# Altium PCB Shaheen.PcbDoc (part 3 of 4)
Units mm, origin at the board's own origin, x right, y up, seen from the top; angles counter-clockwise.
Board outline 102.4 x 144.2 mm, 4 copper layers (Top Layer, GND1, POWER, Bottom Layer), stack 0.89 mm thick; 163 components, 248 nets, 932 pads, 530 vias.
Unrouted connection lines stored in the file: 1.
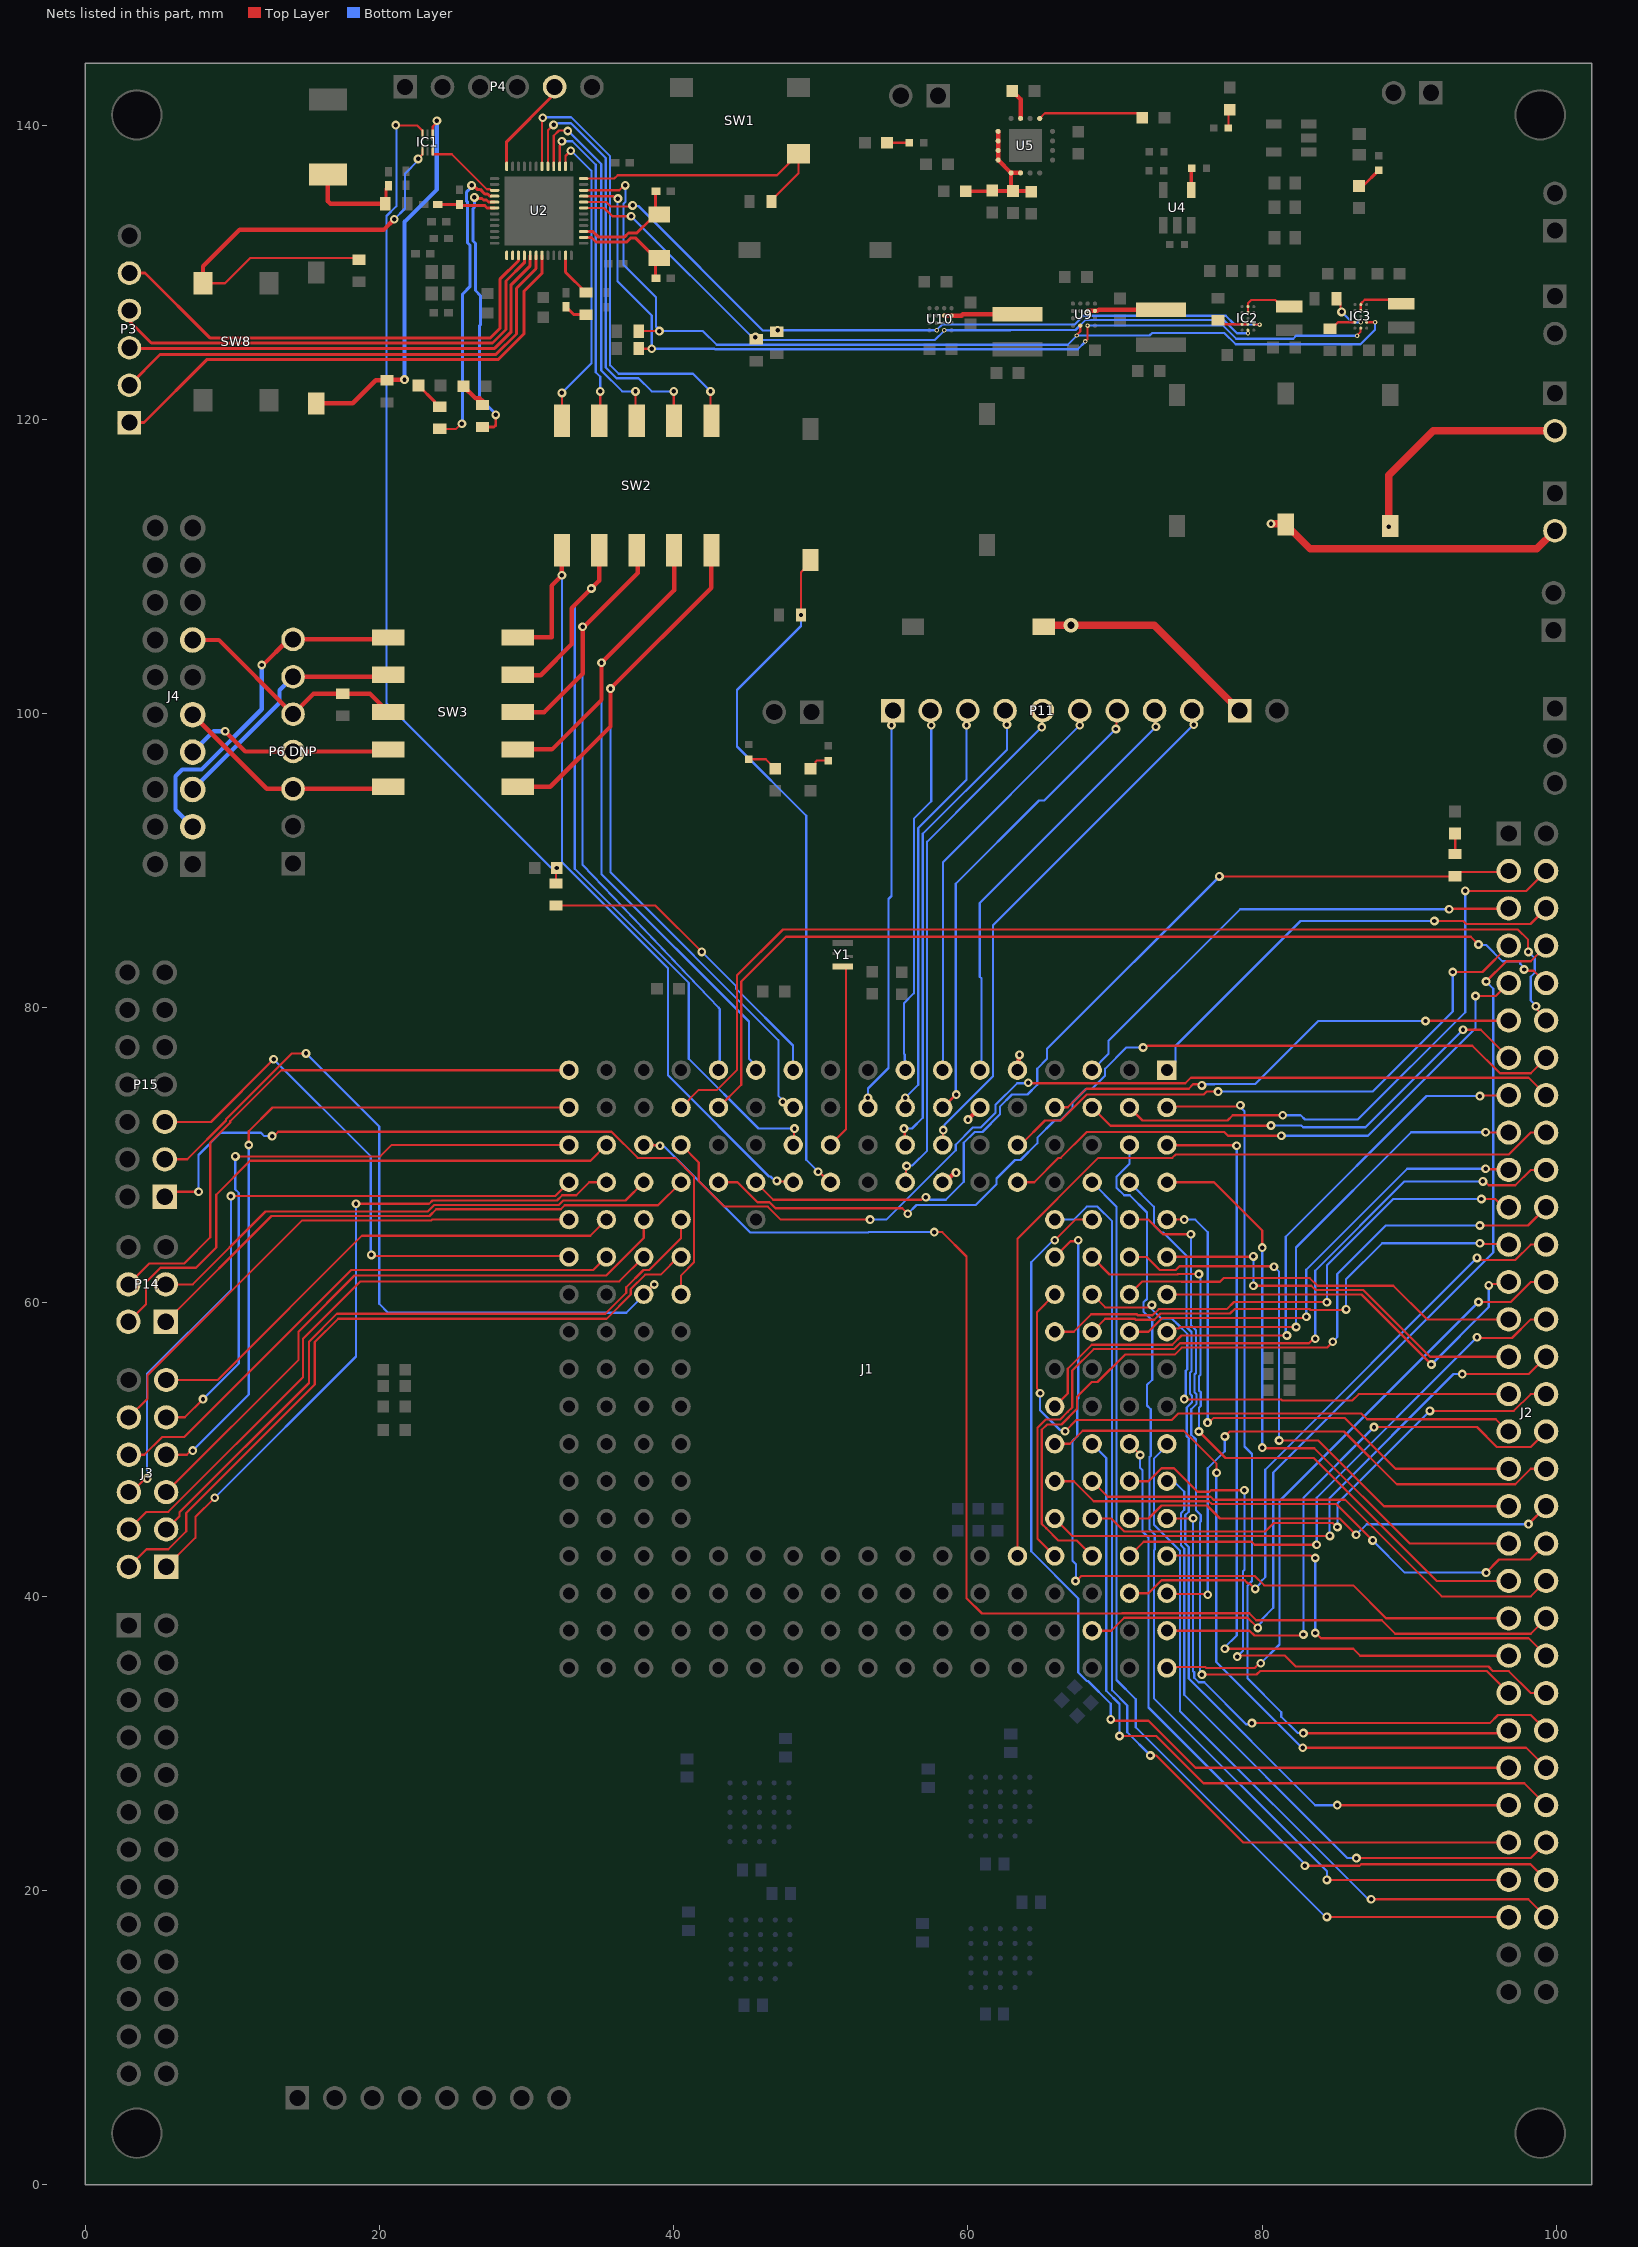
[diagram p5: the nets of this part, all layers, seen from the top]

## Via types
v1: diameter 0.6, hole 0.3, Top Layer to Bottom Layer, tented both sides, 440 vias
v2: diameter 0.3, hole 0.15, Top Layer to Bottom Layer, tented both sides, 87 vias
v3: diameter 1, hole 0.5, Top Layer to Bottom Layer, tented both sides, 2 vias
v4: diameter 0.3, hole 0.15, Top Layer to Bottom Layer, 1 vias

## Nets (pads, with @x,y where several pads share a name; then routed paths per layer and width w, separated by ;. In a path a pad name is that pad's centre, name@x,y a point inside that pad or via, vN(x,y) a via of type N, cw(c..) or ccw(c..) an arc to the next point about the centre after c; other vN are vias at no path point) (continued)
JTAG_TCK: J1.G2 SW2.10 SW3.6 | length 56.6
  Top Layer w0.15: v1(47.41,73.606) 47.532,73.606 47.917,73.22 J1.G2@48.12,73.22
  Top Layer w0.3: SW3.6@29.4,95.02 31.6,95.02 35.7,99.12 v1(35.7,101.7) 42.56,108.56 SW2.10@42.56,111.1
  Bottom Layer w0.15: v1(35.7,101.7) 35.7,89.208 47.112,77.796 47.112,74.026 47.41,73.728 v1(47.41,73.606)
JTAG_TDI: J1.G3 SW2.7 SW3.9 | length 57.7
  Top Layer w0.15: J1.G3@48.12,70.68 48.165,70.725 48.165,71.743 v1(48.21,71.788)
  Top Layer w0.3: SW3.9@29.4,102.64 29.44,102.6 30.95,102.6 33.071,104.721 33.071,107.171 v1(34.4,108.5) 34.94,109.04 SW2.7@34.94,111.1
  Bottom Layer w0.15: v1(34.4,108.5) 33.275,107.375 33.275,89.442 41.025,81.692 41.025,76.526 45.763,71.788 v1(48.21,71.788)
JTAG_TDO: J1.E1 SW2.8 SW3.8 | length 49.5
  Top Layer w0.15: v1(33.8,105.9) v1@33.9,105.9 ; SW2.8@37.48,111.1 SW2.8@37.552,111.028 ; J1.E1@43.04,75.76 J1.E1@43.085,75.805
  Top Layer w0.3: SW3.8@29.4,100.1 31.2,100.1 33.8,102.7 v1(33.8,105.9) ; v1@33.9,105.9 37.552,109.552 SW2.8@37.552,111.028
  Bottom Layer w0.15: v1(33.8,105.9) 33.8,89.72 43.056,79.998 43.13,79.924 43.13,75.85 J1.E1@43.04,75.76
JTAG_TMS: J1.F1 SW2.9 SW3.7 | length 51.6
  Top Layer w0.15: J1.F1@45.58,75.76 J1.F1@45.58,76.076
  Top Layer w0.3: SW3.7@29.4,97.56 31.721,97.56 35.09,100.929 v1(35.09,103.45) 40.02,108.381 SW2.9@40.02,111.1
  Bottom Layer w0.15: v1(35.09,103.45) 35.09,89.086 45.115,79.061 45.115,76.541 45.58,76.076 J1.F1@45.58,75.76
JTAG_TRST: J1.G4 SW2.6 SW3.10 | length 57
  Top Layer w0.15: v1(47.012,68.23) 47.057,68.185 48.075,68.185 J1.G4@48.12,68.14
  Top Layer w0.3: SW3.10@29.4,105.18 31.7,105.18 31.7,108.7 v1(32.4,109.4) SW2.6@32.4,111.1
  Bottom Layer w0.15: v1(32.4,109.4) 32.4,89.892 39.606,82.686 39.606,75.405 46.473,68.539 46.581,68.539 46.89,68.23 v1(47.012,68.23)
KU_DCDC_BUSY: J1.J2 P11.1 | length 28.3
  Top Layer w0.15: J1.J2@53.2,73.22 v1(53.2,73.878) ; v1(54.8,99.2) 54.8,100.1 P11.1@54.9,100.2
  Bottom Layer w0.15: J1.J2@53.2,73.22 v1(53.2,73.878) 53.2,74.511 54.601,75.912 54.601,87.395 54.8,87.595 v1(54.8,99.2)
KU_DCDC_CLK_EXT: J1.L2 P11.7 | length 32.2
  Top Layer w0.15: J1.L2@58.28,73.22 58.3,73.22 59.18,74.1 v1(59.2,74.1) ; v1(70.051,98.95) 70.095,98.995 70.095,100.155 P11.7@70.14,100.2
  Bottom Layer w0.15: v1(59.2,74.1) 59.17,74.13 59.17,88.43 64.832,94.092 65.193,94.092 v1(70.051,98.95)
KU_DCDC_CTRL1: J1.L3 P11.9 | length 36.6
  Top Layer w0.15: J1.L3@58.28,70.68 58.299,70.699 58.299,71.665 v1(58.318,71.684) ; P11.9@75.22,100.2 75.283,100.137 75.283,99.313 v1(75.345,99.25)
  Bottom Layer w0.15: v1(58.318,71.684) 58.398,71.764 58.398,72.047 61.703,75.352 61.703,85.608 v1(75.345,99.25)
KU_DCDC_CTRL2: J1.M1 P11.8 | length 29.5
  Top Layer w0.15: P11.8@72.68,100.2 72.729,100.152 72.729,99.154 v1(72.777,99.105)
  Bottom Layer w0.15: J1.M1@60.82,75.76 60.91,75.85 60.91,82.004 60.8,82.114 60.8,87.128 v1(72.777,99.105)
KU_DCDC_PAD_SEL: J1.K1 P11.2 | length 25.3
  Top Layer w0.15: J1.K1@55.695,75.805 J1.K1@55.74,75.76 ; P11.2@57.44,100.2 57.47,100.17 57.47,99.23 v1(57.5,99.2)
  Bottom Layer w0.15: J1.K1@55.74,75.76 55.695,75.805 55.695,76.823 55.651,76.868 55.651,80.318 56.323,80.991 56.323,92.854 57.5,94.031 v1(57.5,99.2)
KU_DCDC_PFM_OUT: J1.K2 P11.3 | length 28.7
  Top Layer w0.15: J1.K2@55.74,73.22 v1(55.74,73.878) ; v1(59.9,99.2) 59.94,99.24 59.94,100.16 P11.3@59.98,100.2
  Bottom Layer w0.15: v1(55.74,73.878) 56.623,74.761 56.623,92.223 59.9,95.5 v1(59.9,99.2)
KU_DCDC_SEL_CLK: J1.L1 P11.6 | length 28.3
  Top Layer w0.15: v1(67.6,99.2) P11.6@67.6,100.2
  Bottom Layer w0.15: J1.L1@58.28,75.76 58.3,75.78 58.3,89.9 v1(67.6,99.2)
KU_DCDC_SEL_SM: J1.K3 P11.4 | length 32.8
  Top Layer w0.15: v1(55.651,71.788) 55.695,71.743 55.695,70.725 J1.K3@55.74,70.68 ; P11.4@62.52,100.2 62.583,100.137 62.583,99.313 v1(62.645,99.25)
  Bottom Layer w0.15: v1(55.651,71.788) 56.19,71.788 56.923,72.521 56.923,74.637 56.923,91.823 62.645,97.545 v1(62.645,99.25)
KU_DCDC_SM_EXT: J1.K4 P11.5 | length 36.1
  Top Layer w0.15: J1.K4@55.74,68.14 55.785,68.185 55.785,69.203 v1(55.83,69.248) ; v1(65.012,99.083) 65.036,99.107 65.036,100.176 P11.5@65.06,100.2
  Bottom Layer w0.15: v1(55.83,69.248) 55.871,69.289 56.231,69.289 57.223,70.281 57.223,91.294 61.128,95.198 v1(65.012,99.083)
KU_DCDC_VDD: J1.M2 P7.2 SW6.2 | length 21.7
  Top Layer w0.15: J1.M2@60.81,73.21 J1.M2@60.82,73.22 ; SW6.2@81.55,112.9 SW6.2@81.6,112.85
  Top Layer w0.3: v1(60,72.4) J1.M2@60.81,73.21
  Top Layer w0.5: v1(80.6,112.9) SW6.2@81.55,112.9 ; SW6.2@81.575,112.875 SW6.2@81.6,112.85 83.25,111.2 98.67,111.2 P7.2@99.9,112.43
KU_DCDC_VOUT: J1.L4 P16.1 SW10.2 | length 16.9
  Top Layer w0.15: J1.L4@58.28,68.14 J1.L4@58.29,68.13 ; SW10.2@65.15,105.9 SW10.2@65.25,106
  Top Layer w0.3: J1.L4@58.29,68.13 58.437,68.13 59.107,68.8 v1(59.188,68.8)
  Top Layer w0.5: SW10.2@65.25,106 v3(67,106) 72.66,106 P16.1@78.46,100.2
KU_DCDC_VREF: J1.N1 P8.2 SW11.2 | length 17.2
  Top Layer w0.15: J1.N1@63.36,75.76 J1.N1@63.36,75.86
  Top Layer w0.3: J1.N1@63.36,75.86 63.443,75.943 63.443,76.743 v1(63.5,76.8)
  Top Layer w0.5: v1(88.6,112.7) 88.6,116.2 91.63,119.23 P8.2@99.9,119.23
NetA1_1: A1.1 XX1.2 XX3.1 | length 7.2
  Top Layer w0.203: XX1.2@20.394,134.65 20.455,134.589 20.455,135.674 XX3.1@20.608,135.827
  Top Layer w0.3: A1.1@16.493,136.642 16.493,134.826 16.669,134.65 XX1.2@20.394,134.65
NetC20_2: C20.2 L3.1 U2.30 | length 3.8
  Top Layer w0.203: L3.1@24.138,134.607 C20.2@25.434,134.607 25.511,134.53 26.654,134.53 26.672,134.548 27.128,134.548 27.307,134.369 27.817,134.369 U2.30@27.819,134.367
NetC22_1: C22.1 C23.1 C65.1 L4.1 U5.9 U5.10 U5.11 U5.12 U5.13 U5.14 | length 9.6
  Top Layer w0.15: C23.1@61.602,135.5 C23.1@61.654,135.552 C23.1@61.679,135.527 ; C22.1@62.925,135.653 C22.1@63.051,135.527 ; C65.1@64.248,135.527 C65.1@64.3,135.475
  Top Layer w0.254: L4.1@59.85,135.5 C23.1@61.602,135.5 ; C23.1@61.679,135.527 C22.1@63.051,135.527 C65.1@64.248,135.527
  Top Layer w0.3: U5.9@62.05,139.575 U5.10@62.05,138.925 U5.11@62.05,138.275 U5.12@62.05,137.625 U5.13@62.925,136.75 ; C22.1@62.925,135.653 U5.13@62.925,136.75 ; U5.14@63.575,136.75 U5.13@62.925,136.75
NetC25_2: C25.2 U4.4 | length 1.4
  Top Layer w0.254: U4.4@75.177,135.596 C25.2@75.177,137.032
NetC34_1: C34.1 U5.7 | length 2.1
  Top Layer w0.3: C34.1@63.012,142.321 63.575,141.758 U5.7@63.575,140.45
NetC71_1: C71.1 IC1.3 R6.1 | length 59.2
  Top Layer w0.15: v1(21.1,140) 21.136,139.964 22.582,139.964 22.921,139.625 IC1.3@22.921,139.325 ; R6.1@32,88.45 32,89.45 v1(32.05,89.5)
  Bottom Layer w0.15: v1(21.1,140) 21.144,139.956 21.144,134.487 20.475,133.817 20.475,100.703 31.643,89.535 32.015,89.535 v1(32.05,89.5)
NetD1_1: D1.1 R18.2 | length 2.1
  Top Layer w0.203: D1.1@22.65,122.3 23.752,121.198 23.752,121.098 24,120.85 R18.2@24.1,120.85
NetD2_1: D2.1 R17.2 | length 1.7
  Top Layer w0.305: D2.1@25.7,122.255 26.538,121.417 26.815,121.417 R17.2@27.008,121.223
NetD3_1: D3.1 R22.2 | length 1.8
  Top Layer w0.203: D3.1@86.571,135.857 86.848,135.857 R22.2@87.918,136.927
NetD4_1: D4.1 R23.2 | length 1.3
  Top Layer w0.15: R23.2@77.7,139.8 77.7,140.95 D4.1@77.8,141.05
NetD5_1: D5.1 R25.2 | length 1.5
  Top Layer w0.15: D5.1@54.5,138.796 54.504,138.8 R25.2@56,138.8
NetD6_1: D6.1 R12.2 | length 1.4
  Top Layer w0.15: R12.2@93.1,90.45 93.127,90.477 93.127,91.823 D6.1@93.1,91.85
NetD7_1: D7.1 R13.2 | length 1.5
  Top Layer w0.15: D7.1@49.3,96.25 49.625,96.575 49.625,96.712 49.713,96.8 R13.2@50.5,96.8
NetD8_1: D8.1 R14.2 | length 2.1
  Top Layer w0.15: R14.2@45.1,96.9 46.25,96.9 D8.1@46.9,96.25
NetIC1_1: IC1.1 R7.1 SW7.1 | length 26.3
  Top Layer w0.15: IC1.1@23.621,139.325 23.621,139.899 23.9,140.178 v1(23.9,140.3)
  Top Layer w0.3: SW7.1@15.696,121.086 18.186,121.086 19.75,122.65 R7.1@20.5,122.65 ; R7.1@20.5,122.7 v1(21.7,122.7)
  Bottom Layer w0.3: v1(21.7,122.7) 21.7,133.42 23.9,135.62 v1(23.9,140.3)
NetIC1_4: IC1.4 R8.1 SW8.2 | length 32.4
  Top Layer w0.15: SW8.2@7.998,129.248 9.498,129.248 11.211,130.961 18.489,130.961 R8.1@18.6,130.85 ; v1(22.625,137.7) 22.625,137.729 22.921,138.025 IC1.4@22.921,138.325
  Top Layer w0.3: SW8.2@7.998,129.248 7.998,130.398 10.5,132.9 20.3,132.9 v1(21,133.6)
  Bottom Layer w0.15: v1(21,133.6) 21.725,134.325 21.725,136.701 22.625,137.601 v1(22.625,137.7)
NetIC1_6: IC1.6 U2.27 | length 5.5
  Top Layer w0.15: IC1.6@23.621,138.325 23.621,138.025 24.913,138.025 27.296,135.642 27.505,135.642 27.58,135.567 U2.27@27.819,135.567
NetIC2_A2: IC2.A2 IC2.B2 L7.1 | length 3.7
  Top Layer w0.15: IC2.B2@79.032,127.261 79.032,127.888 79.259,128.115 80.878,128.115 81.007,127.986 81.332,127.661 L7.1@81.832,127.661
NetIC2_D1: IC2.D1 IC2.D2 R10.1 | length 2.2
  Top Layer w0.15: R10.1@76.99,126.74 77.09,126.74 77.369,126.461 IC2.D1@78.632,126.461 IC2.D2@79.032,126.461
NetIC2_D3: IC2.D3 R2.2 U2.8 U10.D2 | length 50.7
  Top Layer w0.15: U2.8@33.869,134.767 35.408,134.767 35.701,134.475 37.139,134.475 v1(37.206,134.542) ; IC2.D3@79.432,126.461 79.443,126.45 79.811,126.45 v2(79.825,126.436)
  Bottom Layer w0.15: v1(37.206,134.542) 37.252,134.497 37.603,134.497 46.058,126.042 v1(47.059,126.042) 47.065,126.048 57.875,126.048 v2(57.881,126.054) 57.881,126.084 58.247,126.45 67.259,126.45 67.852,127.043 77.524,127.043 78.117,126.45 79.811,126.45 v2(79.825,126.436)
NetIC2_E2: IC2.E2 R1.2 U2.7 U10.D3 | length 49.8
  Top Layer w0.15: U2.7@33.869,134.367 35.264,134.367 35.831,133.8 v1(37.1,133.8) ; v1(45.55,125.59) R1.2@45.55,125.711 ; v2(79.032,125.853) IC2.E2@79.032,126.061
  Bottom Layer w0.15: v1(37.1,133.8) 45.224,125.676 ; v1@45.586,125.676 45.861,125.4 57.758,125.4 58.381,126.024 v2(58.381,126.054) 62.869,126.054 62.89,126.075 67.308,126.075 67.977,126.743 77.4,126.743 78.29,125.853 v2(79.032,125.853)
NetIC3_A2: IC3.A2 IC3.B2 L8.1 | length 3.4
  Top Layer w0.15: IC3.B2@86.7,127.4 IC3.A2@86.7,127.8 86.711,127.811 86.711,127.876 86.964,128.129 89.171,128.129 L8.1@89.45,127.85
NetIC3_D1: IC3.D1 R9.1 | length 1.9
  Top Layer w0.15: R9.1@84.6,126.15 84.7,126.15 85.15,126.6 IC3.D1@86.3,126.6
NetIC3_D2: IC3.D2 R11.1 | length 2.6
  Top Layer w0.15: R11.1@85.05,128.2 85.325,127.925 85.325,127.375 v1(85.4,127.3)
  Bottom Layer w0.15: v1(85.4,127.3) 86.1,126.6 v2(86.7,126.6)
NetIC3_D3: IC3.D3 R21.1 U2.10 U9.D2 | length 67.7
  Top Layer w0.15: U2.10@33.869,135.567 36.29,135.567 36.623,135.9 v1(36.7,135.9) ; R21.1@37.376,125.991 37.381,125.996 v1@38.9,125.996 ; v1@39.025,125.871 v1@38.9,125.996 ; v1(39.025,125.996) v1@38.9,125.996 ; v2(67.4,125.7) 67.4,125.741 67.632,125.972 U9.D2@67.632,126.368 ; IC3.D3@87.1,126.6 v2(87.675,126.6)
  Bottom Layer w0.15: v1(36.7,135.9) 36.725,135.875 36.725,134.783 36.575,134.633 36.575,130.525 38.8,128.3 38.8,126.309 39.025,126.084 v1(39.025,125.996) 41.991,125.996 42.923,125.065 66.786,125.065 67.4,125.678 v2(67.4,125.7) 72.344,125.7 72.518,125.873 77.421,125.873 78.195,125.1 86.675,125.1 87.675,126.1 v2(87.675,126.6)
NetIC3_E2: IC3.E2 R19.1 U2.9 U9.D3 | length 64.9
  Top Layer w0.15: U2.9@33.869,135.167 35.911,135.167 36.078,135 v1(36.2,135) ; R19.1@37.376,124.808 37.388,124.796 v1(38.5,124.796) ; v2(67.978,125.298) 67.978,125.311 68.132,125.465 v2(68.132,126.368) ; v2(86.45,125.675) 86.45,125.716 86.689,125.955 86.689,126.189 IC3.E2@86.7,126.2
  Bottom Layer w0.15: v1(36.2,135) 36.175,134.975 36.175,129.383 38.5,127.058 v1(38.5,124.796) 42.767,124.796 42.799,124.765 67.458,124.765 67.953,125.259 v2@67.978,125.284 ; v2(68.132,126.368) 77.351,126.368 78.24,125.478 82.104,125.478 82.3,125.675 v2(86.45,125.675)
NetJ1_G1: J1.G1 R6.2 | length 21.8
  Top Layer w0.15: R6.2@32,86.95 38.75,86.95 v1(41.9,83.8)
  Bottom Layer w0.15: v1(41.9,83.8) 44.241,81.459 44.241,81.299 48.1,77.44 48.1,75.78 J1.G1@48.12,75.76
NetJ1_H3: J1.H3 Y1.3 | length 12.7
  Top Layer w0.15: J1.H3@50.66,70.68 51.7,71.72 51.7,82.675 51.575,82.8 Y1.3@51.5,82.8
NetJ1_H4: J1.H4 R4.1 SW4.1 | length 47.2
  Top Layer w0.15: R4.1@48.7,106.75 v1(48.65,106.7) 48.65,109.6 49.3,110.25 SW4.1@49.3,110.45 ; v1(49.813,68.86) 49.877,68.86 50.597,68.14 J1.H4@50.66,68.14
  Bottom Layer w0.15: v1(48.65,106.7) 48.65,105.95 44.3,101.6 44.3,97.758 49.003,93.055 49.003,75.603 49,75.6 49,73.589 49.003,73.586 49.003,69.67 v1(49.813,68.86)
NetJ4_3: "P6 DNP.7" J4.3 SW3.1 | length 24.6
  Top Layer w0.15: 13.762,105.04 14.123,105.04 ; SW3.1@20.46,105.04 SW3.1@20.6,105.18
  Top Layer w0.3: v1(12,103.3) 12.081,103.3 13.762,104.981 13.762,105.04 ; 14.123,105.04 SW3.1@20.46,105.04 ; SW3.1@20.05,105.18 SW3.1@20.6,105.18
  Bottom Layer w0.15: J4.3@7.196,92.404 J4.3@7.3,92.3
  Bottom Layer w0.3: J4.3@7.196,92.404 6.13,93.47 6.13,95.742 6.588,96.2 7.9,96.2 12,100.3 v1(12,103.3)
NetJ4_5: "P6 DNP.6" J4.5 SW3.2 | length 17.8
  Top Layer w0.15: SW3.2@20.46,102.5 SW3.2@20.6,102.64
  Top Layer w0.3: 14.123,102.5 SW3.2@20.46,102.5 ; SW3.2@20.05,102.64 SW3.2@20.6,102.64
  Bottom Layer w0.15: 13.935,102.312 14.123,102.5
  Bottom Layer w0.3: J4.5@7.3,94.84 13.2,100.74 13.2,101.577 13.935,102.312 14.123,102.5
NetJ4_7: "P6 DNP.4" J4.7 SW3.4 | length 14.5
  Top Layer w0.15: SW3.4@20.46,97.42 SW3.4@20.6,97.56
  Top Layer w0.3: v1(9.5,98.8) 10.88,97.42 14.123,97.42 SW3.4@20.46,97.42
  Bottom Layer w0.3: J4.7@7.3,97.38 8.72,98.8 v1(9.5,98.8)
NetJ4_9: "P6 DNP.3" J4.9 SW3.5 | length 15.4
  Top Layer w0.15: SW3.5@20.46,94.88 SW3.5@20.6,95.02
  Top Layer w0.3: J4.9@7.3,99.92 12.34,94.88 14.123,94.88 SW3.5@20.46,94.88
NetJ4_13: "P6 DNP.5" J4.13 R5.2 SW3.3 | length 16.5
  Top Layer w0.3: J4.13@7.3,105 9.083,105 14.123,99.96 15.513,101.35 R5.2@17.5,101.35 19.35,101.35 SW3.3@20.6,100.1
NetL1_2: L1.2 L2.1 | length 1.6
  Top Layer w0.203: L1.2@32.673,127.647 33.202,127.118 L2.1@34.029,127.118
NetL2_2: L2.2 U2.47 | length 3.1
  Top Layer w0.203: U2.47@32.644,131.142 32.644,130.003 L2.2@34.029,128.618
NetL5_2: L5.2 U9.B3 U9.B4 | length 5
  Top Layer w0.3: U9.B3@68.132,127.368 68.796,127.368 68.881,127.453 L5.2@73.132,127.453
NetL6_2: L6.2 U10.B3 U10.B4 | length 5
  Top Layer w0.3: U10.B3@58.381,127.054 U10.B4@58.881,127.054 59.563,127.054 59.65,127.141 L6.2@63.381,127.141
NetR3_1: R3.1 SW1.4 U2.12 | length 19.4
  Top Layer w0.15: U2.12@33.869,136.367 35.955,136.367 36.184,136.596 47.021,136.596 SW1.4@48.475,138.05 48.475,136.725 46.65,134.9 R3.1@46.65,134.8 R3.1@46.683,134.767
NetR17_1: R17.1 U2.29 | length 18.7
  Top Layer w0.203: v1(26.45,135.082) 26.526,135.006 26.971,135.006 27.076,134.901 27.275,134.901 27.407,134.769 27.817,134.769 U2.29@27.819,134.767 ; R17.1@27.008,119.473 27.781,119.473 27.9,119.592 v1(27.9,120.3)
  Bottom Layer w0.203: v1(26.45,135.082) 26.45,134.422 26.348,134.32 26.348,132.128 26.516,131.96 26.516,128.76 26.852,128.424 26.852,126.41 26.787,126.345 26.787,121.476 27.9,120.363 v1(27.9,120.3)
NetR18_1: R18.1 U2.28 | length 20
  Top Layer w0.15: R18.1@24.1,119.35 25.208,119.35 25.558,119.7 v1(25.6,119.7)
  Top Layer w0.203: v1(26.261,135.902) 26.368,135.902 26.637,135.633 26.843,135.633 27.16,135.316 27.348,135.316 27.448,135.216 27.459,135.216 27.506,135.169 U2.28@27.595,135.169
  Bottom Layer w0.203: v1(25.6,119.7) 25.648,119.748 25.648,128.524 26.163,129.039 26.163,131.814 25.995,131.981 25.995,134.756 25.898,134.853 25.898,135.432 26.261,135.794 v1(26.261,135.902)
NetR24_1: R24.1 U5.5 | length 7.2
  Top Layer w0.15: U5.5@64.875,140.45 65.225,140.8 71.55,140.8 R24.1@71.85,140.5
NetSW2_1: SW2.1 U2.18 | length 32.8
  Top Layer w0.15: v1(42.5,121.9) 42.5,119.96 SW2.1@42.56,119.9
  Top Layer w0.152: U2.18@31.044,137.192 31.044,140.44 v1(31.1,140.496)
  Bottom Layer w0.15: v1(31.1,140.496) 31.144,140.54 33.023,140.54 35.675,137.888 35.675,123.683 36.265,123.093 41.307,123.093 v1(42.5,121.9)
NetSW2_2: SW2.2 U2.17 | length 29.1
  Top Layer w0.15: v1(40,121.9) 40,119.92 SW2.2@40.02,119.9
  Top Layer w0.152: U2.17@31.444,137.192 31.444,139.628 v1(31.83,140.015)
  Bottom Layer w0.15: v1(31.83,140.015) 31.916,140.101 32.123,140.101 32.143,140.121 33.017,140.121 35.375,137.763 35.375,123.525 36.107,122.793 37.607,122.793 38.5,121.9 v1(40,121.9)
NetSW2_3: SW2.3 U2.16 | length 25.4
  Top Layer w0.15: v1(37.4,121.9) 37.4,119.98 SW2.3@37.48,119.9
  Top Layer w0.152: U2.16@31.844,137.192 31.844,139.284 32.195,139.635 32.761,139.635 v1(32.8,139.596)
  Bottom Layer w0.15: v1(32.8,139.596) 32.832,139.596 35.075,137.353 35.075,123.325 36.5,121.9 v1(37.4,121.9)